# Altium PCB AU0006A_Fixed.pcbdoc (part 2 of 2)
Units mil, origin at the board's own origin, x right, y up, seen from the top; angles counter-clockwise.
Board outline 3649.12 x 8101.12 mil, 2 copper layers (Top Layer, Bottom Layer); 268 components, 222 nets, 891 pads, 0 vias.
Unrouted connection lines stored in the file: 561.
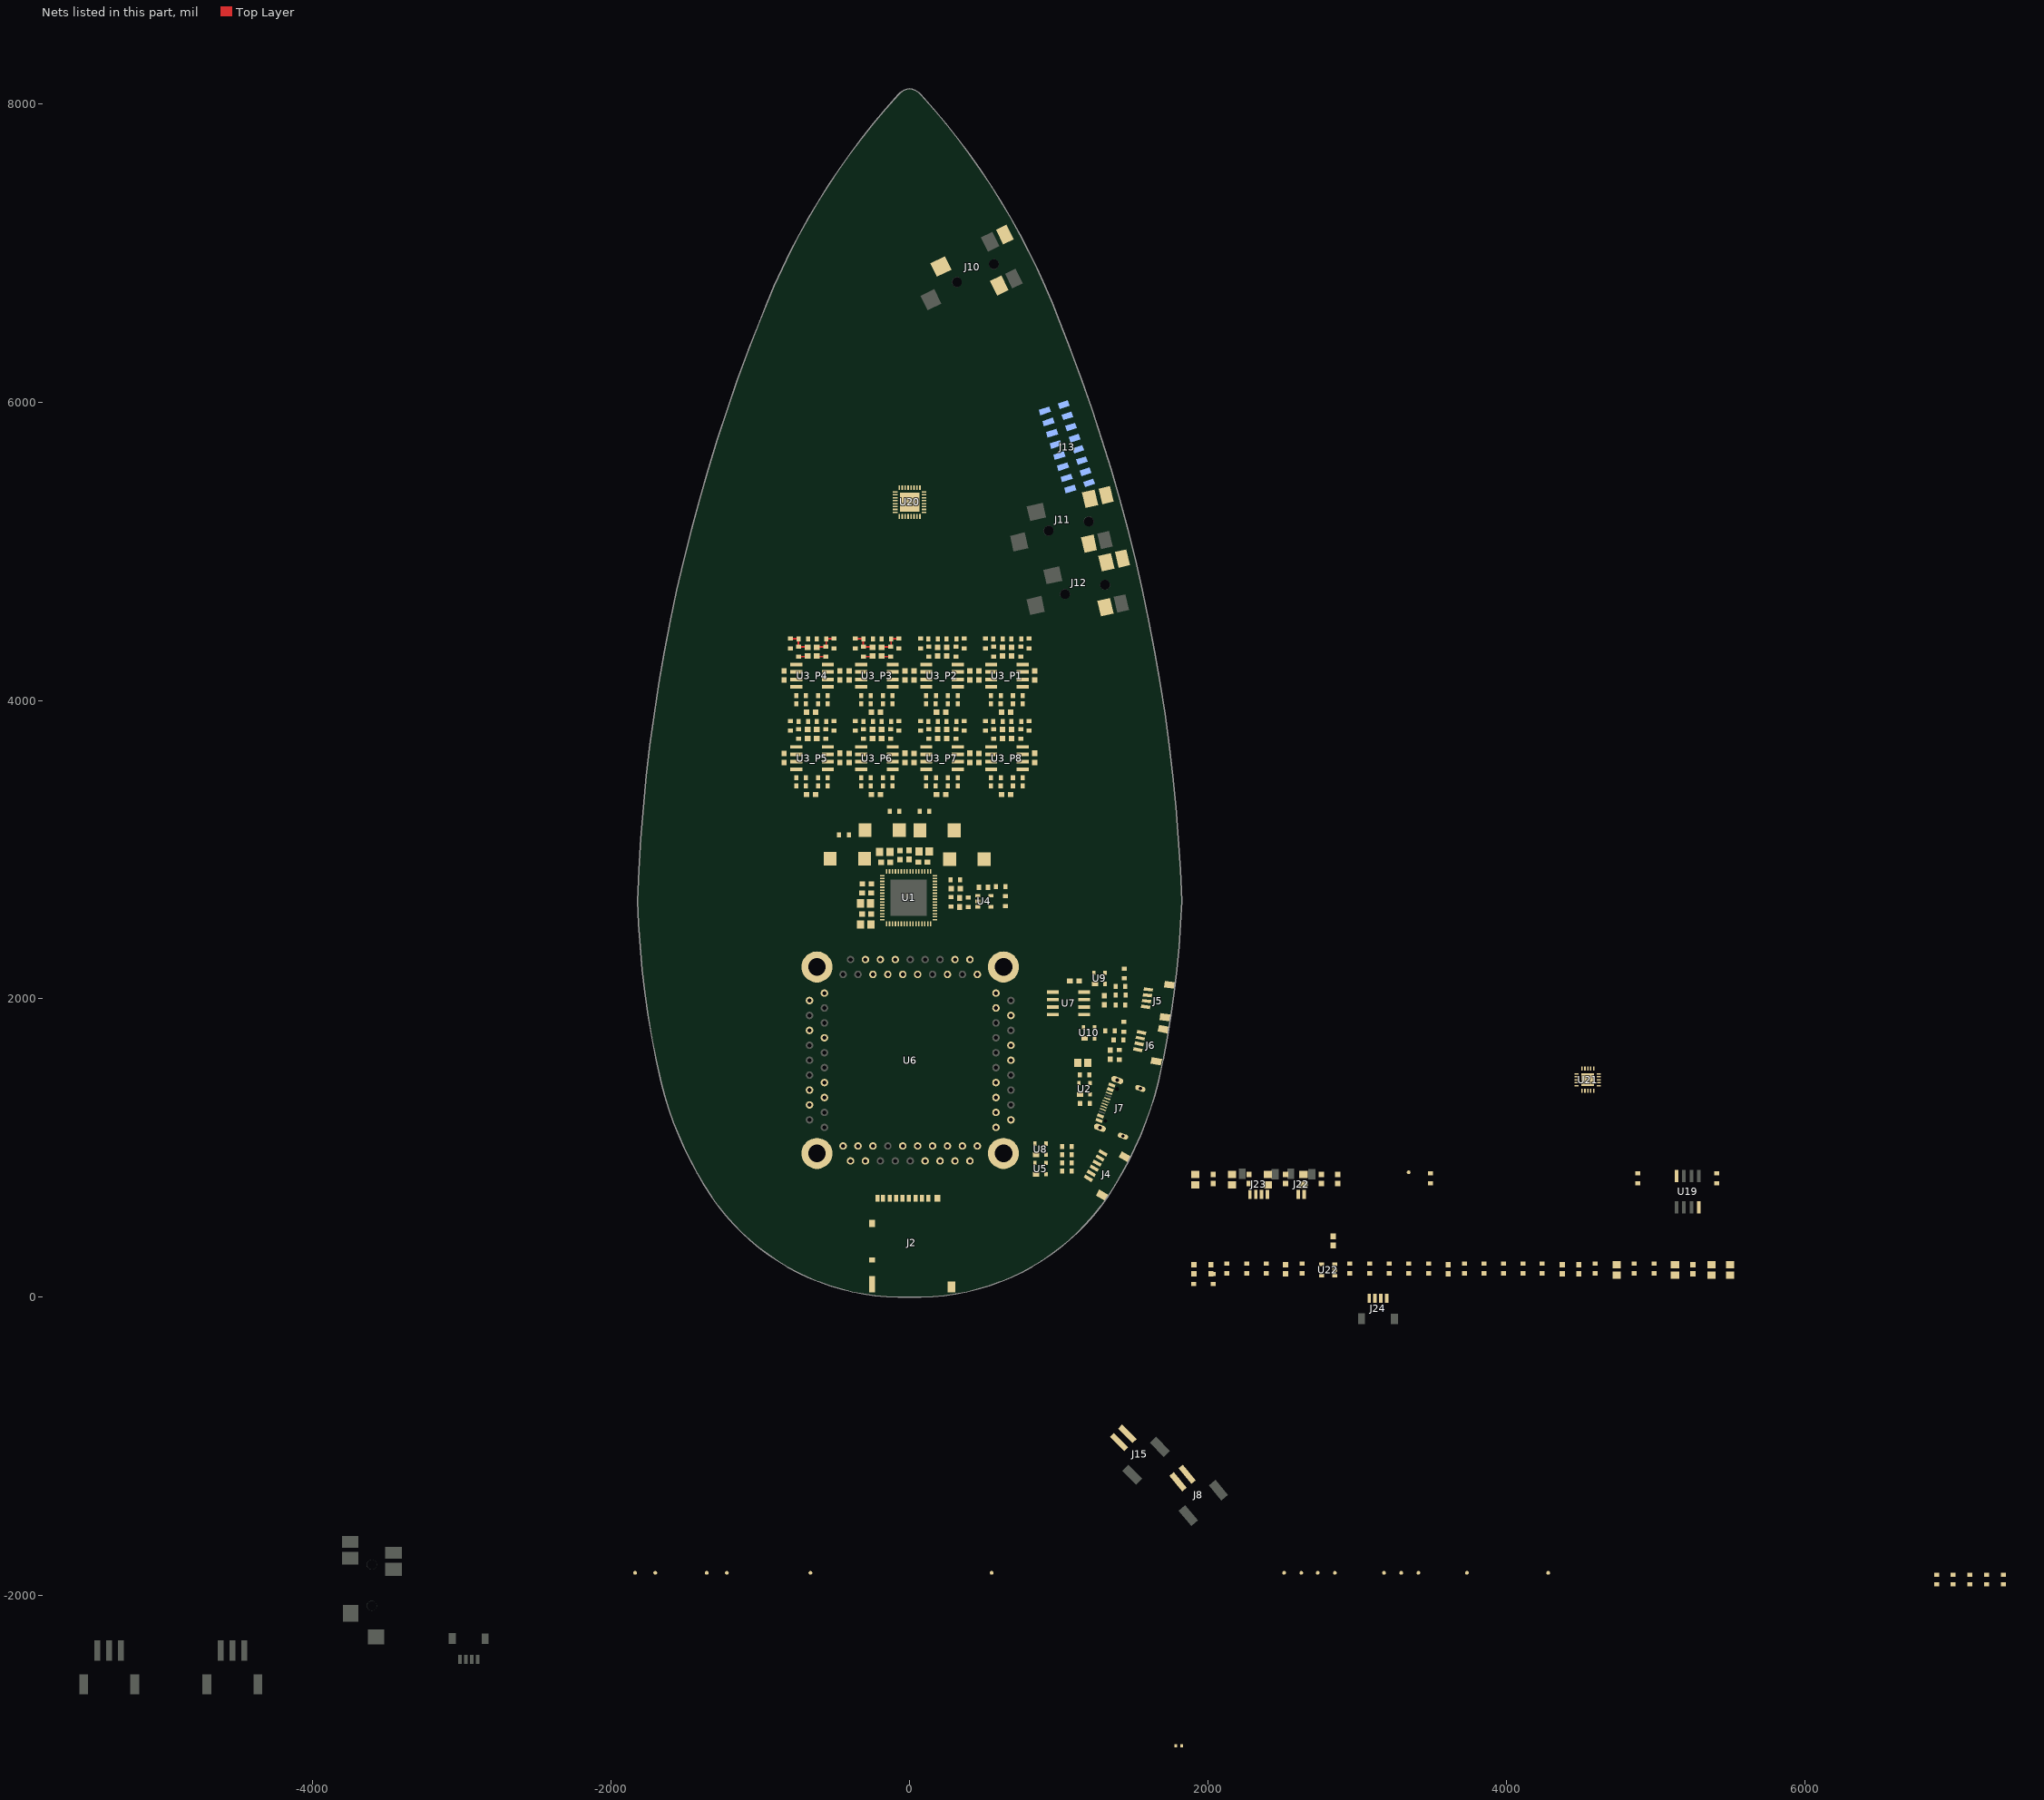
[diagram p2: the nets of this part, all layers, seen from the top]

## Part data
C1 C5 C6 C7 C8 C13 C14 C15 C16 C17 C18 C19 C20 C24_P1 C24_P2 C24_P3 C24_P4 C24_P5 C24_P6 C24_P7 C24_P8 C61 C63 C64 C65 C66 C67 C68 C69 C70 C71 C72 C73 C74 C75 C76 C77 C78 C79 C80 C81 C82: library part C
  C1 C5 C8 C13 C14 C15 C16 C18 C20 C24_P1 C24_P2 C24_P3 C24_P4 C24_P5 C24_P6 C24_P7 C24_P8 C61 C65 C69 C70 C72 C74 C76 C77 C78 C79 C80 C81 C82: Substiution Notes="0.1uFpF, 10V, 0603, AECQ-200"
C2 C3 C4: library part CGA3E2X7R1E104M080AA, "CAP CER 0.1UF 25V X7R 0603", Manufacturer="TDK Corporation", Operating Temperature="-55°C ~ 125°C", Package=0603, Ratings=AEC-Q200, Supplier Part Number 1=445-12541-1-ND, Temperature Coefficient=X7R, Tolerance=±20%, Voltage - Rated=25V, Category=Capacitors, ComponentLink1Description="Datasheet (Internal)", ComponentLink1URL=datasheets\TDK\mlcc_automotive_general_en.pdf, ComponentLink2Description="Datasheet (External)", ComponentLink2URL=https://product.tdk.com/info/en/catalog/datasheets/mlcc_automotive_general_en.pdf, Features=-, Manufacturer Part Number=CGA3E2X7R1E104M080AA, Substitution Notes="0.1µF , 25V , ±20% , X7R , -55°C ~ 125°C , AEC-Q200 , 0603", Supplier 1=Digikey, Thickness (Max)=0.90MM
C9 C10 C11 C12: library part T491D107K010AT, "CAP TANT 100UF 10V 10% 2917", ESR (Equivalent Series Resistance)="700 mOhm", Lifetime @ Temp#="2000 Hrs @ 85°C", Manufacturer=Kemet, Operating Temperature="-55°C ~ 125°C", Package=D, Package1="2917 (7343 Metric)", Sort Value=100000000, Sort Value Package=D_100000000, Supplier Part Number 1=399-3769-1-ND, Temperature Coefficient="Temperature Coefficient", Tolerance=±10%, Value_Voltage=100µF_10V, Voltage - Rated=10V, Capacitance=100µF, Category=Capacitors, ComponentLink1Description="Internal Datasheet", ComponentLink1URL=http://www.kemet.com/Lists/ProductCatalog/Attachments/254/KEM_T2005_T491.pdf, ComponentLink2Description="External Datasheet", ComponentLink2URL=http://www.kemet.com/Lists/ProductCatalog/Attachments/254/KEM_T2005_T491.pdf, Features="General Purpose", Height - Seated (Max)="0.122\" (3.10mm)", Lead Spacing=-, Manufacturer Part Number=T491D107K010AT, Mounting Type="Surface Mount", Packaging="Cut Tape (CT)", Size / Dimension="0.287\" L x 0.169\" W (7.30mm x 4.30mm)", Stocked=0, Supplier 1=Digi-Key, Type=Molded
C21_P1 C21_P2 C21_P3 C21_P4 C21_P5 C21_P6 C21_P7 C21_P8 C25_P1 C25_P2 C25_P3 C25_P4 C25_P5 C25_P6 C25_P7 C25_P8: library part GCM1885C2A271FA16D, "CAP CER 270PF 100V C0G/NP0 0603", Manufacturer="Murata Electronics", Operating Temperature="-55°C ~ 125°C", Package=0603, Ratings=AEC-Q200, Supplier Part Number 1=490-16410-1-ND, Temperature Coefficient="C0G, NP0", Tolerance=±1%, Voltage - Rated=100V, Category=Capacitors, ComponentLink1Description="Datasheet (Internal)", ComponentLink1URL=https://search.murata.co.jp/Ceramy/image/img/A01X/G101/ENG/GCM1885C2A271FA16-01.pdf, ComponentLink2Description="Datasheet (External)", ComponentLink2URL=https://search.murata.co.jp/Ceramy/image/img/A01X/G101/ENG/GCM1885C2A271FA16-01.pdf, Manufacturer Part Number=GCM1885C2A271FA16D, Substitution Notes="270pF , 100V , ±1% , C0G, NP0 , -55°C ~ 125°C , AEC-Q200 , 0603", Supplier 1=Digikey, Thickness (Max)=0.90MM
C22_P1 C22_P2 C22_P3 C22_P4 C22_P5 C22_P6 C22_P7 C22_P8: library part GCM1885C2A471JA16D, "CAP CER 470PF 100V C0G/NP0 0603", Manufacturer="Murata Electronics", Operating Temperature="-55°C ~ 125°C", Package=0603, Ratings=AEC-Q200, Supplier Part Number 1=490-4949-1-ND, Temperature Coefficient="C0G, NP0", Tolerance=±5%, Voltage - Rated=100V, Category=Capacitors, ComponentLink1Description="Datasheet (Internal)", ComponentLink1URL=https://www.murata.com/~/media/webrenewal/support/library/catalog/products/capacitor/mlcc/c03e.ashx?la=en-us, ComponentLink2Description="Datasheet (External)", ComponentLink2URL=https://www.murata.com/~/media/webrenewal/support/library/catalog/products/capacitor/mlcc/c03e.ashx?la=en-us, Manufacturer Part Number=GCM1885C2A471JA16D, Substitution Notes="470pF , 100V , ±5% , C0G, NP0 , -55°C ~ 125°C , AEC-Q200 , 0603", Supplier 1=Digikey, Thickness (Max)=0.90MM
C23_P1 C23_P2 C23_P3 C23_P4 C23_P5 C23_P6 C23_P7 C23_P8: library part GCM1885C2A102JA16D, "CAP CER 1000PF 100V C0G/NP0 0603", Manufacturer="Murata Electronics", Operating Temperature="-55°C ~ 125°C", Package=0603, Ratings=AEC-Q200, Supplier Part Number 1=490-4772-1-ND, Temperature Coefficient="C0G, NP0", Tolerance=±5%, Voltage - Rated=100V, Category=Capacitors, ComponentLink1Description="Datasheet (Internal)", ComponentLink1URL=https://psearch.en.murata.com/capacitor/product/GCM1885C2A102JA16%23.pdf, ComponentLink2Description="Datasheet (External)", ComponentLink2URL=https://psearch.en.murata.com/capacitor/product/GCM1885C2A102JA16%23.pdf, Manufacturer Part Number=GCM1885C2A102JA16D, Substitution Notes="1000pF , 100V , ±5% , C0G, NP0 , -55°C ~ 125°C , AEC-Q200 , 0603", Supplier 1=Digikey, Thickness (Max)=0.90MM
C62: library part AC0603KPX7R9BB103, "CAP CER 10000PF 50V X7R 0603", Manufacturer=Yageo, Operating Temperature="-55°C ~ 125°C", Package=0603, Ratings=AEC-Q200, Supplier Part Number 1=311-3284-1-ND, Temperature Coefficient=X7R, Tolerance=±10%, Voltage - Rated=50V, Category=Capacitors, ComponentLink1Description="Datasheet (Internal)", ComponentLink1URL=datasheets\Yageo\yageo_ac.pdf, ComponentLink2Description="Datasheet (External)", ComponentLink2URL=http://www.yageo.com/NewPortal/yageodocoutput?fileName=/pdf/MLCC/UPY-AC_NP0X7R_16V-to-630V_9.pdf, Manufacturer Part Number=AC0603KPX7R9BB103, Substitution Notes="10000pF , 50V , ±10% , X7R , -55°C ~ 125°C , AEC-Q200 , 0603", Supplier 1=Digikey, Thickness (Max)=0.90MM
J1 J9: "CONN HEADER PH SIDE 3POS 2MM SMD", Manufacturer="JST Sales America Inc", Manufacturer Part Number=S3B-PH-SM4-TB(LF)(SN)
J2: "CONN MICRO SD R/A PUSH-PUSH SMD", Manufacturer="Hirose Electric Co Ltd", Supplier Part Number 1=HR1964CT-ND, Card Type="Secure Digital - microSD™", Category="Connectors, Interconnects", ComponentLink1Description=http://www.hirose.co.jp/cataloge_hp/e60900232.pdf, ComponentLink1URL=http://www.hirose.co.jp/cataloge_hp/e60900232.pdf, Connector Type="Connector and Ejector", Contact Finish=Gold, Contact Finish Thickness=-, Ejector Side=-, Features=Switch, Height Above Board="0.066\" (1.68mm)", Insertion, Removal Method="Push In, Push Out", Manufacturer Part Number=DM3AT-SF-PEJM5, Mounting Feature="Normal, Standard - Top", Mounting Type="Surface Mount, Right Angle", Number of Positions="10 (8 + 2)", Packaging="Cut Tape (CT)", Pricing="1=2.83, 10=2.72, 25=2.4932, 50=2.3798, 100=2.2664, 250=1.98312, 500=1.92648 (USD)", RoHS="RoHS Compliant", Stock=28699, Supplier 1=Digi-Key
J3 J10 J11 J12: "Conn 3.5MM Audio Jack F 6 POS Solder RA SMD 6 Terminal 1 Port", Manufacturer="CUI Devices", Manufacturer Part Number=SJ-43516-SMT-TR, Package="3.5MM SMD R/A", Availability=Available, Price=$1.24
J4: library part SM06B-SRSS-TB(LF)(SN), "6 Positions Header, Shrouded Connector 0.039\" (1.00mm) Surface Mount, Right Angle Tin", Colour=Natural, Contact Resistance=40mR, Current Rating=1A, Flammability Rating="UL94 V-0", Housing Colour=Beige, Insulation Resistance=100MR, Manufacturer=JST, Max Operating Temperature=85°C, Max Voltage Rating (AC)=50V, Min Operating Temperature=-25°C, Supplier Part Number 1=455-1806-1-ND, ComponentLink1Description=https://datasheet.ciiva.com/11752/0900766b8082f544-11752176.pdf, ComponentLink1URL=https://datasheet.ciiva.com/11752/0900766b8082f544-11752176.pdf, ComponentLink2Description=https://datasheet.ciiva.com/16217/sm06b-srss-tblfsn-16217552.pdf, ComponentLink2URL=https://datasheet.ciiva.com/16217/sm06b-srss-tblfsn-16217552.pdf, ComponentLink3Description=https://datasheet.ciiva.com/26894/getdatasheetpartid-490708-26894951.pdf, ComponentLink3URL=https://datasheet.ciiva.com/26894/getdatasheetpartid-490708-26894951.pdf, ComponentLink4Description=https://datasheet.ciiva.com/26894/getdatasheetpartid-639890-26894680.pdf, ComponentLink4URL=https://datasheet.ciiva.com/26894/getdatasheetpartid-639890-26894680.pdf, ComponentLink5Description=https://datasheet.ciiva.com/8052/91630-8052281.pdf, ComponentLink5URL=https://datasheet.ciiva.com/8052/91630-8052281.pdf, ComponentLink6Description=https://datasheet.ciiva.com/712/esr-712571.pdf, ComponentLink6URL=https://datasheet.ciiva.com/712/esr-712571.pdf, ComponentLink7Description=https://datasheet.ciiva.com/712/esr-712572.pdf, ComponentLink7URL=https://datasheet.ciiva.com/712/esr-712572.pdf, ComponentLink8Description=https://datasheet.ciiva.com/730/esr-730671.pdf, ComponentLink8URL=https://datasheet.ciiva.com/730/esr-730671.pdf, Connector Type="Male Pin", Contact Material="Copper,Copper Alloy", Contact Plating=Copper,Tin,Lead, Depth=4.95mm, Gender=Male, Housing Material=Polyamide, Lead Free="Lead Free", Lead Pitch=1mm, Length=8mm, Manufacturer Part Number=SM06B-SRSS-TB(LF)(SN), Material=Polyamide, Max Current Rating=1A, Max Voltage Rating (DC)=50V, Mount="Surface Mount", Number of Contacts=6, Number of Positions=6, Number of Rows=1, Orientation="Right Angle", Packaging="Tape and Reel", Pitch=1mm, Pricing 1="1=0.83, 10=0.782, 100=0.5996, 500=0.5214, 1000=0.4301 (USD)", REACH SVHC="No SVHC", Stock 1=40560, Supplier 1=Digi-Key, Termination=Solder, Voltage Rating=50V, Voltage Rating (AC)=50V
J5 J6 J16 J23 J24: "Conn Shrouded Header HDR 4 POS 1mm Solder RA SMD T/R", Colour=Natural, Contact Resistance=40mR, Housing Colour=Beige, Manufacturer=JST, Max Current Rating=1A, Max Operating Temperature=85°C, Max Voltage Rating (AC)=50V, Min Operating Temperature=-25°C, Supplier Part Number 1=455-1804-1-ND, ComponentLink1Description=https://datasheet.ciiva.com/26894/getdatasheetpartid-499363-26894945.pdf, ComponentLink1URL=https://datasheet.ciiva.com/26894/getdatasheetpartid-499363-26894945.pdf, ComponentLink2Description=https://datasheet.ciiva.com/26894/getdatasheetpartid-640736-26894676.pdf, ComponentLink2URL=https://datasheet.ciiva.com/26894/getdatasheetpartid-640736-26894676.pdf, ComponentLink3Description=https://datasheet.ciiva.com/16487/jstsm04b-srss-tb-lf-sn-16487222.pdf, ComponentLink3URL=https://datasheet.ciiva.com/16487/jstsm04b-srss-tb-lf-sn-16487222.pdf, Connector Type="Male Pin", Contact Material="Copper Alloy", Contact Plating=Copper,Tin, Depth=4.95mm, Housing Material=Polyamide, Lead Free="Lead Free", Length=6mm, Manufacturer Part Number=SM04B-SRSS-TB(LF)(SN), Max Voltage Rating (DC)=50V, Mount="Surface Mount", Number of Contacts=4, Number of Positions=4, Number of Rows=1, Orientation="Right Angle", Packaging="Tape and Reel", Pitch=0.039inch, Pricing 1="1=0.61, 10=0.569, 100=0.436, 500=0.37914, 1000=0.31279 (USD)", Stock 1=43886, Supplier 1=Digi-Key, Termination=Solder
J7: library part 12402012E212A, Manufacturer=Amphenol, Supplier Part Number 1=523-12402012E212A, Category=Connectors, Manufacturer Part Number=12402012E212A, Pricing="1=0.98000, 10=0.77400, 50=0.77400, 100=0.67300, 1000=0.53800, 10000=0.43700 (USD)", RoHS=No, Stock 1=6869, Supplier 1=Mouser
J8 J15: "CONN HEADER PH SIDE 2POS 2MM SMD", Color=Natural, Manufacturer="JST Sales America Inc", Supplier Part Number 1=455-1749-1-ND, Category="Connectors, Interconnects", ComponentLink1Description=http://www.jst-mfg.com/product/pdf/eng/ePH.pdf, ComponentLink1URL=http://www.jst-mfg.com/product/pdf/eng/ePH.pdf, Connector Type="Header, Shrouded", Contact Finish=Tin, Contact Finish Thickness=-, Contact Mating Length=-, Contact Type="Male Pin", Fastening Type=-, Features="Solder Retention", Manufacturer Part Number=S2B-PH-SM4-TB(LF)(SN), Mounting Type="Surface Mount, Right Angle", Number of Positions=2, Number of Positions Loaded=All, Number of Rows=1, Packaging="Cut Tape (CT)", Pitch="0.079\" (2.00mm)", Pricing 1="1=0.5, 10=0.457, 100=0.3809, 500=0.3047 (USD)", RoHS="RoHS Compliant", Row Spacing=-, Stock 1=17700, Supplier 1=Digi-Key, Termination=Solder
J13: "SAMTEC         MMT-108-02-T-DH             Board-To-Board Connector, MMT Series, 12 Contacts, Header, 2 mm, Surface Mount, 2 Rows", Housing Colour=Black, Manufacturer=Samtec, Max Operating Temperature=105°C, Min Operating Temperature=-55°C, ComponentLink1Description=http://www.farnell.com/datasheets/1796420.pdf, ComponentLink1URL=http://www.farnell.com/datasheets/1796420.pdf, ComponentLink2Description=http://components.arrow.com/part/dataview/40189258S9202960N1004, ComponentLink2URL=http://components.arrow.com/part/dataview/40189258S9202960N1004, ComponentLink3Description=http://www.samtec.com/documents/webfiles/pdf/MMT_SM.PDF, ComponentLink3URL=http://www.samtec.com/documents/webfiles/pdf/MMT_SM.PDF, Contact Material=Bronze, Contact Plating=Nickel,Tin, Depth=12.67mm, Gender=Male, Housing Material=Polymer, Length=12mm, Manufacturer Part Number=MMT-108-02-T-DH, Number of Contacts=12, Number of Rows=2, Orientation="Right Angle", Packaging=Bulk, Pitch=2mm, Pricing 1="1=1.83 (USD)", Radiation Hardening=No, REACH SVHC="No SVHC", Stock 1=0, Termination=Solder
J22: "JST SH Series, 1mm Pitch 2 Way 1 Row Right Angle PCB Header, Solder Termination, 1A", Current Rating=1A, Manufacturer=JST, Supplier Part Number 1=455-1802-1-ND, Voltage Rating=50V, ComponentLink1Description=https://datasheet.ciiva.com/11746/0900766b805b098a-11746439.pdf, ComponentLink1URL=https://datasheet.ciiva.com/11746/0900766b805b098a-11746439.pdf, Contact Material="Copper Alloy", Manufacturer Part Number=SM02B-SRSS-TB(LFSN), Number of Contacts=2, Number of Rows=1, Orientation="Right Angle", Pitch=1mm, Pricing 1="1=0.44, 10=0.415, 100=0.3185, 500=0.277, 1000=0.22852 (USD)", Stock 1=36619, Supplier 1=Digi-Key, Termination=Solder
L1: "FIXED IND 4.7UH 520MA 650 MOHM", Case Code (Imperial)=0805, Case Code (Metric)=2012, Current Rating=520mA, DC Resistance (DCR)=650mR, Inductance=4.7uH, Inductance Tolerance=20%, Manufacturer="Taiyo Yuden", Max Operating Temperature=105°C, Min Operating Temperature=-40°C, Package Quantity=3000, Saturation Current=360mA, Self Resonant Frequency=45MHz, Supplier Part Number 1=587-1602-1-ND, Test Frequency=7.96MHz, Case/Package=0805, ComponentLink1Description=https://datasheet.ciiva.com/15981/214cbc2012t4r7m-15981637.pdf?src-supplier=Onlinecomponents.com, ComponentLink1URL=https://datasheet.ciiva.com/15981/214cbc2012t4r7m-15981637.pdf?src-supplier=Onlinecomponents.com, ComponentLink2Description=https://datasheet.ciiva.com/1040/cbc2012t4r7m-ss-1040456.pdf?src-supplier=Digi-Key, ComponentLink2URL=https://datasheet.ciiva.com/1040/cbc2012t4r7m-ss-1040456.pdf?src-supplier=Digi-Key, ComponentLink3Description=https://datasheet.ciiva.com/8505/cbc2012t4r7m-ss-8505656.pdf?src-supplier=Avnet, ComponentLink3URL=https://datasheet.ciiva.com/8505/cbc2012t4r7m-ss-8505656.pdf?src-supplier=Avnet, ComponentLink4Description=https://datasheet.ciiva.com/8001/wound02-e-8001849.pdf?src-supplier=Element14, ComponentLink4URL=https://datasheet.ciiva.com/8001/wound02-e-8001849.pdf?src-supplier=Element14, Composition=Wirewound, Core Material=Ferrite, Halogen Free="Halogen Free", Height=1.25mm, Height - Seated (Max)=0.057inch, Lead Free=Exempt, Length=0.079inch, Manufacturer Part Number=CBC2012T4R7M, Max DC Current=520mA, Mount="Surface Mount", Number of Pins=2, Packaging="Tape and Reel", Pricing 1="1=0.24000, 10=0.21600, 100=0.14860, 500=0.12702, 1000=0.09729 (USD)", REACH SVHC="No SVHC", RoHS=Yes, Shielding=Unshielded, Stock 1=7720, Supplier 1=Digi-Key, Termination=SMD/SMT, Tolerance=20%, Width=0.049inch
R1 R2: library part ERJ-3EKF5101V, "RES 5.1K OHM 1/10W 1% 0603 SMD", Limiting Element Voltage=75, Manufacturer="Panasonic Electronic Components", Maximum Overload Voltage=150, Maximum Working Voltage=22.6V, Package="0603 (1608 Metric)", Package Power="0603  (0.1W)", Power (Watts)="0.1W- 1/10W", Ratings=AEC-Q200, Sort Value=5100, Sort Value Package=603_5100, Supplier Package=0603, Supplier Part Number 1=P5.10KHCT-ND, Temperature Coefficient=±100ppm/°C, Tolerance=±1%, Category=Resistors, ComponentLink1Description="Internal Datasheet", ComponentLink1URL="datasheets\Panasonic Electronic Components\AOA0000CE2.pdf", ComponentLink2Description="External Datasheet", ComponentLink2URL=http://industrial.panasonic.com/www-data/pdf/AOA0000/AOA0000CE2.pdf, Composition="Thick Film", Features=-, Height=0.55MM, Manufacturer Part Number=ERJ-3EKF5101V, Number of Terminations=2, Packaging="Cut Tape (CT)", Resistance (Ohms)=5.1k, Size / Dimension="0.063\" L x 0.031\" W (1.60mm x 0.80mm)", Substitution Notes="5.1k , ±1% , 0603 , AEC-Q200", Supplier 1=Digi-Key
R3 R4 R5 R6 R8 R12 R110: library part ERJ-3EKF1001V, "RES 1K OHM 1/10W 1% 0603 SMD", Limiting Element Voltage=75, Manufacturer="Panasonic Electronic Components", Maximum Overload Voltage=150, Maximum Working Voltage=10.0V, Package="0603 (1608 Metric)", Package Power="0603  (0.1W)", Power (Watts)="0.1W- 1/10W", Ratings=AEC-Q200, Sort Value=1000, Sort Value Package=603_1000, Supplier Package=0603, Supplier Part Number 1=P1.00KHCT-ND, Temperature Coefficient=±100ppm/°C, Tolerance=±1%, Category=Resistors, ComponentLink1Description="Internal Datasheet", ComponentLink1URL="datasheets\Panasonic Electronic Components\AOA0000CE2.pdf", ComponentLink2Description="External Datasheet", ComponentLink2URL=http://industrial.panasonic.com/www-data/pdf/AOA0000/AOA0000CE2.pdf, Composition="Thick Film", Features=-, Height=0.55MM, Manufacturer Part Number=ERJ-3EKF1001V, Number of Terminations=2, Packaging="Cut Tape (CT)", Resistance (Ohms)=1k, Size / Dimension="0.063\" L x 0.031\" W (1.60mm x 0.80mm)", Substitution Notes="1k , ±1% , 0603 , AEC-Q200", Supplier 1=Digi-Key
R7 R10 R11 R14: library part ERJ-3EKF1003V, "RES 100K OHM 1/10W 1% 0603 SMD", Limiting Element Voltage=75, Manufacturer="Panasonic Electronic Components", Maximum Overload Voltage=150, Maximum Working Voltage=75.0V, Package="0603 (1608 Metric)", Package Power="0603  (0.1W)", Power (Watts)="0.1W- 1/10W", Ratings=AEC-Q200, Sort Value=100000, Sort Value Package=603_100000, Supplier Package=0603, Supplier Part Number 1=P100KHCT-ND, Temperature Coefficient=±100ppm/°C, Tolerance=±1%, Category=Resistors, ComponentLink1Description="Internal Datasheet", ComponentLink1URL="datasheets\Panasonic Electronic Components\AOA0000CE2.pdf", ComponentLink2Description="External Datasheet", ComponentLink2URL=http://industrial.panasonic.com/www-data/pdf/AOA0000/AOA0000CE2.pdf, Composition="Thick Film", Features=-, Height=0.55MM, Manufacturer Part Number=ERJ-3EKF1003V, Number of Terminations=2, Packaging="Cut Tape (CT)", Resistance (Ohms)=100k, Size / Dimension="0.063\" L x 0.031\" W (1.60mm x 0.80mm)", Substitution Notes="100k , ±1% , 0603 , AEC-Q200", Supplier 1=Digi-Key
R9 R13 R15 R16 R17 R18 R19: library part ERJ-3GEY0R00V, "RES 0.0 OHM 1/10W JUMP 0603 SMD", Limiting Element Voltage=75, Manufacturer="Panasonic Electronic Components", Maximum Overload Voltage=150, Maximum Working Voltage=0.0V, Package="0603 (1608 Metric)", Package Power="0603  (0.1W)", Power (Watts)="0.1W- 1/10W", Ratings=AEC-Q200, Sort Value Package=603_0, Supplier Package=0603, Supplier Part Number 1=P0.0GCT-ND, Temperature Coefficient=-, Tolerance=Jumper, Category=Resistors, ComponentLink1Description="Internal Datasheet", ComponentLink1URL="datasheets\Panasonic Electronic Components\AOA0000CE1.pdf", ComponentLink2Description="External Datasheet", ComponentLink2URL=http://industrial.panasonic.com/www-data/pdf/AOA0000/AOA0000CE1.pdf, Composition="Thick Film", Features=-, Height=0.55MM, Manufacturer Part Number=ERJ-3GEY0R00V, Number of Terminations=2, Resistance (Ohms)=0, Size / Dimension="0.063\" L x 0.031\" W (1.60mm x 0.80mm)", Sort Value=0, Substitution Notes="0 , Jumper , 0603 , AEC-Q200", Supplier 1=Digi-Key
R20 R21 R22 R23: library part R, "1k", ComponentLink1Description=http://industrial.panasonic.com/www-cgi/jvcr13pz.cgi?E+PZ+3+AOA0002+ERJ3EKF10R0V+7+WW, ComponentLink1URL=http://industrial.panasonic.com/www-cgi/jvcr13pz.cgi?E+PZ+3+AOA0002+ERJ3EKF10R0V+7+WW
R24_P1 R24_P2 R24_P3 R24_P4 R24_P5 R24_P6 R24_P7 R24_P8 R25_P1 R25_P2 R25_P3 R25_P4 R25_P5 R25_P6 R25_P7 R25_P8 R30_P1 R30_P2 R30_P3 R30_P4 R30_P5 R30_P6 R30_P7 R30_P8 R33_P1 R33_P2 R33_P3 R33_P4 R33_P5 R33_P6 R33_P7 R33_P8 R105 R106 R107 R109 R111 R112 R113 R114 R115 R116 R117 R118 R119 R120 R121 R122 R123 R124 R125 R127 R128 R130: library part ERJ-3EKF2201V, "RES 2.2K OHM 1/10W 1% 0603 SMD", Limiting Element Voltage=75, Manufacturer="Panasonic Electronic Components", Maximum Overload Voltage=150, Maximum Working Voltage=14.8V, Package="0603 (1608 Metric)", Package Power="0603  (0.1W)", Power (Watts)="0.1W- 1/10W", Ratings=AEC-Q200, Sort Value=2200, Sort Value Package=603_2200, Supplier Package=0603, Supplier Part Number 1=P2.20KHCT-ND, Temperature Coefficient=±100ppm/°C, Tolerance=±1%, Category=Resistors, ComponentLink1Description="Internal Datasheet", ComponentLink1URL="datasheets\Panasonic Electronic Components\AOA0000CE2.pdf", ComponentLink2Description="External Datasheet", ComponentLink2URL=http://industrial.panasonic.com/www-data/pdf/AOA0000/AOA0000CE2.pdf, Composition="Thick Film", Features=-, Height=0.55MM, Manufacturer Part Number=ERJ-3EKF2201V, Number of Terminations=2, Packaging="Cut Tape (CT)", Resistance (Ohms)=2.2k, Size / Dimension="0.063\" L x 0.031\" W (1.60mm x 0.80mm)", Substitution Notes="2.2k , ±1% , 0603 , AEC-Q200", Supplier 1=Digi-Key
R26_P1 R26_P2 R26_P3 R26_P4 R26_P5 R26_P6 R26_P7 R26_P8 R31_P1 R31_P2 R31_P3 R31_P4 R31_P5 R31_P6 R31_P7 R31_P8: library part ERJ-3EKF3300V, "RES 330 OHM 1/10W 1% 0603 SMD", Limiting Element Voltage=75, Manufacturer="Panasonic Electronic Components", Maximum Overload Voltage=150, Maximum Working Voltage=5.7V, Package="0603 (1608 Metric)", Package Power="0603  (0.1W)", Power (Watts)="0.1W- 1/10W", Ratings=AEC-Q200, Sort Value Package=603_330, Supplier Package=0603, Supplier Part Number 1=P330HCT-ND, Temperature Coefficient=±100ppm/°C, Tolerance=±1%, Category=Resistors, ComponentLink1Description="Internal Datasheet", ComponentLink1URL="datasheets\Panasonic Electronic Components\AOA0000CE2.pdf", ComponentLink2Description="External Datasheet", ComponentLink2URL=http://industrial.panasonic.com/www-data/pdf/AOA0000/AOA0000CE2.pdf, Composition="Thick Film", Features=-, Height=0.55MM, Manufacturer Part Number=ERJ-3EKF3300V, Number of Terminations=2, Packaging="Cut Tape (CT)", Resistance (Ohms)=330, Size / Dimension="0.063\" L x 0.031\" W (1.60mm x 0.80mm)", Sort Value=330, Substitution Notes="330 , ±1% , 0603 , AEC-Q200", Supplier 1=Digi-Key
R27_P1 R27_P2 R27_P3 R27_P4 R27_P5 R27_P6 R27_P7 R27_P8 R28_P1 R28_P2 R28_P3 R28_P4 R28_P5 R28_P6 R28_P7 R28_P8 R29_P1 R29_P2 R29_P3 R29_P4 R29_P5 R29_P6 R29_P7 R29_P8 R32_P1 R32_P2 R32_P3 R32_P4 R32_P5 R32_P6 R32_P7 R32_P8: library part ERJ-3EKF10R0V, "RES 10 OHM 1/10W 1% 0603 SMD", Limiting Element Voltage=75, Manufacturer="Panasonic Electronic Components", Maximum Overload Voltage=150, Maximum Working Voltage=1.0V, Package="0603 (1608 Metric)", Package Power="0603  (0.1W)", Power (Watts)="0.1W- 1/10W", Ratings=AEC-Q200, Sort Value Package=603_10, Supplier Package=0603, Supplier Part Number 1=P10.0HCT-ND, Temperature Coefficient=±100ppm/°C, Tolerance=±1%, Category=Resistors, ComponentLink1Description="Internal Datasheet", ComponentLink1URL="datasheets\Panasonic Electronic Components\AOA0000CE2.pdf", ComponentLink2Description="External Datasheet", ComponentLink2URL=http://industrial.panasonic.com/www-data/pdf/AOA0000/AOA0000CE2.pdf, Composition="Thick Film", Features=-, Height=0.55MM, Manufacturer Part Number=ERJ-3EKF10R0V, Number of Terminations=2, Packaging="Cut Tape (CT)", Resistance (Ohms)=10, Size / Dimension="0.063\" L x 0.031\" W (1.60mm x 0.80mm)", Sort Value=10, Substitution Notes="10 , ±1% , 0603 , AEC-Q200", Supplier 1=Digi-Key
R38: library part ERJ-2RKF1002X, "RES 10K OHM 1/10W 1% 0402 SMD", Limiting Element Voltage=50, Manufacturer="Panasonic Electronic Components", Maximum Overload Voltage=100, Maximum Working Voltage=31.6V, Package="0402 (1005 Metric)", Package Power="0402  (0.1W)", Power (Watts)="0.1W- 1/10W", Ratings=AEC-Q200, Sort Value=10000, Sort Value Package=402_10000, Supplier Package=0402, Supplier Part Number 1=P10.0KLCT-ND, Temperature Coefficient=±100ppm/°C, Tolerance=±1%, Category=Resistors, ComponentLink1Description="Internal Datasheet", ComponentLink1URL="datasheets\Panasonic Electronic Components\AOA0000CE2.pdf", ComponentLink2Description="External Datasheet", ComponentLink2URL=http://industrial.panasonic.com/www-data/pdf/AOA0000/AOA0000CE2.pdf, Composition="Thick Film", Features=-, Height=0.40MM, Manufacturer Part Number=ERJ-2RKF1002X, Number of Terminations=2, Packaging="Cut Tape (CT)", Resistance (Ohms)=10k, Size / Dimension="0.039\" L x 0.020\" W (1.00mm x 0.50mm)", Substitution Notes="10k , ±1% , 0402 , AEC-Q200", Supplier 1=Digi-Key
R108: library part ERJ-3EKF1000V, "RES 100 OHM 1/10W 1% 0603 SMD", Limiting Element Voltage=75, Manufacturer="Panasonic Electronic Components", Maximum Overload Voltage=150, Maximum Working Voltage=3.2V, Package="0603 (1608 Metric)", Package Power="0603  (0.1W)", Power (Watts)="0.1W- 1/10W", Ratings=AEC-Q200, Sort Value Package=603_100, Supplier Package=0603, Supplier Part Number 1=P100HCT-ND, Temperature Coefficient=±100ppm/°C, Tolerance=±1%, Category=Resistors, ComponentLink1Description="Internal Datasheet", ComponentLink1URL="datasheets\Panasonic Electronic Components\AOA0000CE2.pdf", ComponentLink2Description="External Datasheet", ComponentLink2URL=http://industrial.panasonic.com/www-data/pdf/AOA0000/AOA0000CE2.pdf, Composition="Thick Film", Features=-, Height=0.55MM, Manufacturer Part Number=ERJ-3EKF1000V, Number of Terminations=2, Packaging="Cut Tape (CT)", Resistance (Ohms)=100, Size / Dimension="0.063\" L x 0.031\" W (1.60mm x 0.80mm)", Sort Value=100, Substitution Notes="100 , ±1% , 0603 , AEC-Q200", Supplier 1=Digi-Key
R126 R129: library part ERJ-3EKF2201V, "RES 2.2K OHM 1/10W 1% 0603 SMD", Limiting Element Voltage=75, Manufacturer="Panasonic Electronic Components", Maximum Working Voltage=14.8V, Package="0603 (1608 Metric)", Package Power="0603  (0.1W)", Power (Watts)="0.1W- 1/10W", Ratings=AEC-Q200, Resistance (Ohms)=2.2k, Sort Value=2200, Sort Value Package=603_2200, Supplier Package=0603, Supplier Part Number 1=P2.20KHCT-ND, Temperature Coefficient=±100ppm/°C, Tolerance=±1%, Category=Resistors, ComponentLink1Description="Internal Datasheet", ComponentLink1URL="datasheets\Panasonic Electronic Components\AOA0000CE2.pdf", ComponentLink2Description="External Datasheet", ComponentLink2URL=http://industrial.panasonic.com/www-data/pdf/AOA0000/AOA0000CE2.pdf, Composition="Thick Film", Features=-, Height=0.55MM, Manufacturer Part Number=ERJ-3EKF2201V, Maximum Overload Voltage=150, Number of Terminations=2, Packaging="Cut Tape (CT)", Size / Dimension="0.063\" L x 0.031\" W (1.60mm x 0.80mm)", Substitution Notes="2.2k , ±1% , 0603 , AEC-Q200", Supplier 1=Digi-Key
U1: "IC ADC, Audio 32 bit 768k DSD, PCM 64-QFN (9x9)", Manufacturer="AKM/Asahi Kasei Microdevices", Supplier Device Package="64-QFN (9x9)", Category="ADCs/DACs - Special Purpose", Manufacturer Part Number=AK5558VN, Mounting Type="Surface Mount", Type=DEV
U2 U5 U8 U9 U10: "TVS DIODE 5.5VWM SOT143B", Capacitance @ Frequency="1pF @ 1MHz", Current - Peak Pulse (10/1000µs)=-, Manufacturer="NXP Semiconductors", Operating Temperature="-40°C ~ 85°C (TA)", Package / Case="TO-253-4, TO-253AA", Power Line Protection=Yes, Supplier Device Package=SOT-143B, Supplier Part Number 1=568-4140-1-ND, Voltage - Breakdown (Min)=6V, Voltage - Reverse Standoff (Typ)="5.5V (Max)", Applications="General Purpose", Bidirectional Channels=2, Category="Circuit Protection", ComponentLink1Description=http://www.nxp.com/documents/data_sheet/PRTR5V0U2X.pdf, ComponentLink1URL=http://www.nxp.com/documents/data_sheet/PRTR5V0U2X.pdf, Manufacturer Part Number=PRTR5V0U2X,215, Mounting Type="Surface Mount", Packaging="Cut Tape (CT)", Power - Peak Pulse=-, Pricing="1=0.57, 10=0.477, 25=0.418, 100=0.3578, 250=0.31036, 500=0.26286, 1000=0.20265 (USD)", RoHS="RoHS Compliant", Stock=11734, Supplier 1=Digi-Key, Type="Steering (Rail to Rail)", Unidirectional Channels=-, Voltage - Clamping (Max) @ Ipp=-
U3_P1 U3_P2 U3_P3 U3_P4 U3_P5 U3_P6 U3_P7 U3_P8: "Operational Amplifiers - Op Amps Ultra Lo Pwr RRO Fully-Diff Amp", Case/Package=D, Input Bias Current=200nA, Input Offset Voltage (Vos)=100uV, Manufacturer="Texas Instruments", Max Dual Supply Voltage=2.75V, Max I/O Voltage=400uV, Max Operating Temperature=125°C, Max Supply Current=250uA, Max Supply Voltage=5.5V, Min Dual Supply Voltage=1.25V, Min Operating Temperature=-40°C, Min Supply Voltage=2.5V, Output Current=50mA, Package Quantity=75, Power Supply Rejection Ratio (PSRR)=87dB, Supplier Part Number 1=296-35604-5-ND, Voltage Gain=114dB, Amplifier Type="GENERAL PURPOSE", Bandwidth=36MHz, Category="Amplifiers - Op Amps, Buffer, Instrumentation", Common Mode Rejection Ratio=90dB, ComponentLink1Description=https://datasheet.ciiva.com/6630/ths4531a-6630465.pdf?src-supplier=Digi-Key, ComponentLink1URL=https://datasheet.ciiva.com/6630/ths4531a-6630465.pdf?src-supplier=Digi-Key, ComponentLink2Description=https://datasheet.ciiva.com/22657/1698036-22657688.pdf?src-supplier=Element14, ComponentLink2URL=https://datasheet.ciiva.com/22657/1698036-22657688.pdf?src-supplier=Element14, ComponentLink3Description=https://datasheet.ciiva.com/28429/ths4531a-28429749.pdf?src-supplier=Avnet+Europe, ComponentLink3URL=https://datasheet.ciiva.com/28429/ths4531a-28429749.pdf?src-supplier=Avnet+Europe, Gain Bandwidth Product=27MHz, Height=1.5mm, Lead Free="Lead Free", Length=5mm, Manufacturer Part Number=THS4531AID, Nominal Gain Bandwidth Product=36MHz, Nominal Supply Current=250uA, Number of Amplifiers=1, Number of Channels=1, Number of Circuits=1, Number of Elements=1, Number of Pins=8, Operating Supply Current=250uA, Packaging=Rail/Tube, Pricing 1="1=4.06000, 10=3.65000, 25=3.45120, 100=2.99090, 250=2.83756, 500=2.54614, 1000=2.53225 (USD)", Radiation Hardening=No, REACH SVHC="No SVHC", RoHS=Yes, Series=-, Slew Rate=15V/µs, Stock 1=3055, Supplier 1=Digi-Key, Supply Current=250uA, Unity Gain Bandwidth Product=27MHz, Width=4mm
U4: "IC OPAMP 1.8V 0-DRIFT SOT23-5", Current - Input Bias=70pA, Current - Output / Channel=5mA, Current - Supply=17µA, Manufacturer="Texas Instruments", Manufacturer Part Number=OPA333AIDBVR, Operating Temperature="-40°C ~ 125°C", Package / Case="SC-74A, SOT-753", Supplier Device Package=SOT-23-5, Supplier Part Number 1=296-26269-1-ND, Voltage - Input Offset=2µV, Voltage - Supply, Single/Dual (±)="1.8 V ~ 5.5 V, ±0.9 V ~ 2.75 V", -3db Bandwidth=-, Amplifier Type=Zero-Drift, Category="Integrated Circuits (ICs)", ComponentLink1Description=http://www.ti.com/lit/ds/symlink/opa333.pdf, ComponentLink1URL=http://www.ti.com/lit/ds/symlink/opa333.pdf, Gain Bandwidth Product=350kHz, Mounting Type="Surface Mount", Number of Circuits=1, Output Type=Rail-to-Rail, Packaging="Cut Tape (CT)", Pricing 1="1=2.6, 10=2.334, 100=1.8725, 500=1.539, 1000=1.06875 (USD)", RoHS="RoHS Compliant", Slew Rate="0.16 V/µs", Stock 1=5227, Supplier 1=Digi-Key
U6: library part RT_SUPER_C, "Super Monkey Rev C"
U7: "IC OPAMP 1.8V 1MHZ DUAL 8-SOIC", Current - Input Bias=1pA, Current - Output / Channel=23mA, Current - Supply=100µA, Manufacturer="Microchip Technology", Operating Temperature="-40°C ~ 85°C", Package / Case="8-SOIC (0.154\", 3.90mm Width)", Supplier Device Package="8-SOIC N", Supplier Part Number 1=MCP6002-I/SN-ND, Voltage - Input Offset=4.5mV, Voltage - Supply, Single/Dual (±)="1.8 V ~ 6 V", -3db Bandwidth=-, Amplifier Type="General Purpose", Category="Integrated Circuits (ICs)", ComponentLink1Description=http://ww1.microchip.com/downloads/en/DeviceDoc/21733j.pdf, ComponentLink1URL=http://ww1.microchip.com/downloads/en/DeviceDoc/21733j.pdf, Gain Bandwidth Product=1MHz, Manufacturer Part Number=MCP6002-I/SN, Mounting Type="Surface Mount", Number of Circuits=2, Output Type=Rail-to-Rail, Packaging=Tube, Pricing 1="1=0.4, 10=0.33, 25=0.28, 100=0.25 (USD)", RoHS="RoHS Compliant", Slew Rate="0.6 V/µs", Stock 1=45024, Supplier 1=Digi-Key
U19: "SoundPlus™ ultra-low noise and distortion, Burr-Brown™ audio operational amplifier 8-SOIC -40 to 125", Manufacturer="Texas Instruments", Supplier Part Number 1=595-OPA1656ID, Category="Amplifiers - Op Amps, Buffer, Instrumentation", Manufacturer Part Number=OPA1656ID, Pricing="1=3.27000, 10=2.94000, 25=2.78000, 50=2.78000, 100=2.41000, 225=2.28000, 1000=2.28000, 10000=2.28000 (USD)", RoHS=Yes, Stock 1=6922, Supplier 1=Mouser
U20: "115dB 768kHz / 32-bit 8 ch Premium DAC", Manufactuer=AKM, Manufacturer Part Number=AK4454VN
U21: "138mW DirectPath Headphone Amplifier with GPIO control", Manufacturer="Texas Instruments", Mouser Part Number=595-TPA6133A2RTJR, Datasheet Link=http://www.ti.com/lit/gpn/tpa6133a2, Geometry.Height=0.8mm, Manufacturer Part Number=TPA6133A2RTJR, Mouser Price/Stock=https://www.mouser.co.uk/ProductDetail/Texas-Instruments/TPA6133A2RTJR?qs=xahoIJ7Tb4BkyS7VmN%2FRcw%3D%3D
U22: "IC OPAMP Z RRO SOT23-5 Ultra Low Noise, Low Distortion, FET Input", Manufacturer="Texas Instruments", Manufacturer Part Number=OPA1655DBVR

## Nets (pads, with @x,y where several pads share a name; then routed paths per layer and width w, separated by ;. In a path a pad name is that pad's centre, name@x,y a point inside that pad or via, vN(x,y) a via of type N, cw(c..) or ccw(c..) an arc to the next point about the centre after c; other vN are vias at no path point)
+3.3v: R38.1
+3v3: C19.2 C20.2 C68.2 C69.2 J2.4 J4.6 J23.1 J24.1 R7.2 R11.2 R16.2 R17.2 R105.1 R106.1 U1.25 U1.57 U5.4 U6.50 U8.4 U9.4 U10.4 U20.8 U20.11 U20.13 U20.28 U20.29
+5v0_ADC: C5.2 C6.2 C7.2 C8.2 R20.2 R21.2 R22.2 R23.2 U1.2 U1.15 U3_P1.3 U3_P1.7 U3_P2.3 U3_P2.7 U3_P3.3 U3_P3.7 U3_P4.3 U3_P4.7 U3_P5.3 U3_P5.7 U3_P6.3 U3_P6.7 U3_P7.3 U3_P7.7 U3_P8.3 U3_P8.7
+5v0_DAC: C71.2 C72.2 C82.2 U19.8 U20.21 U22.5
+5vA: C1.2 U4.5
+5vUSB: L1.2 U2.4 U6.55
+ADC_VREF: C2.2 J5.1 J6.1 U6.1 U7.8
+V_HP: R117.2 U21.12 U21.20
+VBATT: J8.1 J15.1 U6.57
+VREF: R108.2 R110.2 U3_P1.2 U3_P2.2 U3_P3.2 U3_P4.2 U3_P5.2 U3_P6.2 U3_P7.2 U3_P8.2
-5v0_DAC: C82.1 U19.4 U22.2
ADC_BICK: U1.33 U6.62
ADC_LRCK: U1.34 U6.61
ADC_POWER_DOWN: U1.28 U6.58
ADC_SDTO1: U1.36 U6.59
ADC_VDD_1v8: C17.2 C18.2 U1.27
ADC_VREF1: C9.1 C13.2 R20.1 R107.1 U1.62
ADC_VREF2: C10.1 C14.2 R21.1 U1.6
ADC_VREF3: C11.1 C15.2 R22.1 U1.12
ADC_VREF4: C12.1 C16.2 R23.1 U1.20
AIN1_N: C24_P1.1 R32_P1.2 U1.60
AIN1_P: C24_P1.2 R27_P1.2 U1.59
AIN2_N: C24_P2.1 R32_P2.2 U1.63
AIN2_P: C24_P2.2 R27_P2.2 U1.64
AIN3_N: C24_P3.1 R32_P3.2 U1.4
AIN3_P: C24_P3.2 R27_P3.2 U1.3
AIN4_N: C24_P4.1 R32_P4.2 U1.8
AIN4_P: C24_P4.2 R27_P4.2 U1.7
AIN5_N: C24_P5.1 R32_P5.2 U1.10
AIN5_P: C24_P5.2 R27_P5.2 U1.9
AIN6_N: C24_P6.1 R32_P6.2 U1.14
AIN6_P: C24_P6.2 R27_P6.2 U1.13
AIN7_N: C24_P7.1 R32_P7.2 U1.18
AIN7_P: C24_P7.2 R27_P7.2 U1.17
AIN8_N: C24_P8.1 R32_P8.2 U1.22
AIN8_P: C24_P8.2 R27_P8.2 U1.21
DAC_BICK: U6.72 U20.2
DAC_LRCK: U6.71 U20.3
DAC_MUTE: U6.66 U6.68 U20.7
DAC_POWER_DOWN: U20.32
DAC_SDTIN1: U6.70 U20.4
DAC_VDD_+1v8: C70.2 U20.31
DAC_VREF1: C73.2 C74.2 U20.17
DAC_VREF2: C75.2 C76.2 U20.25
FS0B_CLK: U6.20
FS0B_CS: U6.28
FS0B_DATA0: U6.13
FS0B_DATA1: U6.14
FS0B_DATA2: U6.15
FS0B_DATA3: U6.16
GND: C1.1 C2.1 C3.1 C4.1 C5.1 C6.1 C7.1 C8.1 C9.2 C10.2 C11.2 C12.2 C13.1 C14.1 C15.1 C16.1 C17.1 C18.1 C19.1 C20.1 C61.1 C68.1 C69.1 C70.1 C71.1 C72.1 C73.1 C74.1 C75.1 C76.1 C77.1 C78.1 C81.1 J2.6 J2.CDA J2.M J4.5 J4.M1 J4.M2 J5.2 J5.M1 J5.M2 J6.2 J6.M1 J6.M2 J7.A1B12 J7.B1A12 J7.M1 J7.M2 J7.M3 J7.M4 J8.2 J10.1 J15.2 J22.2 J23.4 J24.4 R1.1 R2.1 R10.1 R14.1 R15.2 R18.2 R19.2 R109.2 R123.2 R124.2 R130.2 U1.1 U1.5 U1.11 U1.16 U1.19 U1.23 U1.26 U1.32 U1.35 U1.44 U1.46 U1.61 U2.1 U3_P1.6 U3_P2.6 U3_P3.6 U3_P4.6 U3_P5.6 U3_P6.6 U3_P7.6 U3_P8.6 U4.2 U5.1 U6.54 U6.M U7.4 U8.1 U9.1 U10.1 U20.5 U20.12 U20.16 U20.20 U20.24 U20.30 U20.33 U21.3 U21.9 U21.10 U21.13 U21.19 U21.21
GUITAR_OUT: J22.1 R127.1 R130.1
HEADPHONE_SHUTDOWN: U6.69 U21.6
HP_LEFT: J10.2 U21.14
HP_RIGHT: J10.3 U21.11
MCLK: U1.24 U6.48 U20.1
NetC3_2: C3.2 R9.2 R10.2 U7.3
NetC4_2: C4.2 R13.2 R14.2 U7.5
NetC21_P1_1: C21_P1.1 C23_P1.2 R26_P1.2 U3_P1.8
NetC21_P1_2: C21_P1.2 R28_P1.1 U3_P1.5
NetC21_P2_1: C21_P2.1 C23_P2.2 R26_P2.2 U3_P2.8
NetC21_P2_2: C21_P2.2 R28_P2.1 U3_P2.5
NetC21_P3_1: C21_P3.1 C23_P3.2 R26_P3.2 U3_P3.8 | length 62.9
  Top Layer w10: C23_P3.2@-187.49,4298 -184.01,4294.52 R26_P3.2@-126,4294.52
NetC21_P3_2: C21_P3.2 R28_P3.1 U3_P3.5
NetC21_P4_1: C21_P4.1 C23_P4.2 R26_P4.2 U3_P4.8 | length 62.9
  Top Layer w10: C23_P4.2@-622.49,4298 -619.01,4294.52 R26_P4.2@-561,4294.52
NetC21_P4_2: C21_P4.2 R28_P4.1 U3_P4.5
NetC21_P5_1: C21_P5.1 C23_P5.2 R26_P5.2 U3_P5.8
NetC21_P5_2: C21_P5.2 R28_P5.1 U3_P5.5
NetC21_P6_1: C21_P6.1 C23_P6.2 R26_P6.2 U3_P6.8
NetC21_P6_2: C21_P6.2 R28_P6.1 U3_P6.5
NetC21_P7_1: C21_P7.1 C23_P7.2 R26_P7.2 U3_P7.8
NetC21_P7_2: C21_P7.2 R28_P7.1 U3_P7.5
NetC21_P8_1: C21_P8.1 C23_P8.2 R26_P8.2 U3_P8.8
NetC21_P8_2: C21_P8.2 R28_P8.1 U3_P8.5
NetC22_P1_1: C22_P1.1 R30_P1.1 R31_P1.1 R33_P1.2
NetC22_P1_2: C22_P1.2 R24_P1.2 R25_P1.1 R26_P1.1
NetC22_P2_1: C22_P2.1 R30_P2.1 R31_P2.1 R33_P2.2
NetC22_P2_2: C22_P2.2 R24_P2.2 R25_P2.1 R26_P2.1
NetC22_P3_1: C22_P3.1 R30_P3.1 R31_P3.1 R33_P3.2 | length 167.6
  Top Layer w10: R33_P3.2@-363,4414.48 -312.96,4414.48 R30_P3.1@-310.48,4412 -310.48,4361.96 R31_P3.1@-308,4359.48 -250.99,4359.48 C22_P3.1@-248.51,4357
NetC22_P3_2: C22_P3.2 R24_P3.2 R25_P3.1 R26_P3.1 | length 169.3
  Top Layer w10: C22_P3.2@-187.49,4357 -185.01,4359.48 R26_P3.1@-126,4359.48 -123.04,4362.44 R25_P3.1@-123.04,4412 -120.56,4414.48 R24_P3.2@-71,4414.48
NetC22_P4_1: C22_P4.1 R30_P4.1 R31_P4.1 R33_P4.2 | length 167.6
  Top Layer w10: R33_P4.2@-798,4414.48 -747.96,4414.48 R30_P4.1@-745.48,4412 -745.48,4361.96 R31_P4.1@-743,4359.48 -685.99,4359.48 C22_P4.1@-683.51,4357
NetC22_P4_2: C22_P4.2 R24_P4.2 R25_P4.1 R26_P4.1 | length 169.3
  Top Layer w10: C22_P4.2@-622.49,4357 -620.01,4359.48 R26_P4.1@-561,4359.48 -558.04,4362.44 R25_P4.1@-558.04,4412 -555.56,4414.48 R24_P4.2@-506,4414.48
NetC22_P5_1: C22_P5.1 R30_P5.1 R31_P5.1 R33_P5.2
NetC22_P5_2: C22_P5.2 R24_P5.2 R25_P5.1 R26_P5.1
NetC22_P6_1: C22_P6.1 R30_P6.1 R31_P6.1 R33_P6.2
NetC22_P6_2: C22_P6.2 R24_P6.2 R25_P6.1 R26_P6.1
NetC22_P7_1: C22_P7.1 R30_P7.1 R31_P7.1 R33_P7.2
NetC22_P7_2: C22_P7.2 R24_P7.2 R25_P7.1 R26_P7.1
NetC22_P8_1: C22_P8.1 R30_P8.1 R31_P8.1 R33_P8.2
NetC22_P8_2: C22_P8.2 R24_P8.2 R25_P8.1 R26_P8.1
NetC23_P1_1: C23_P1.1 C25_P1.1 R31_P1.2 U3_P1.1
NetC23_P2_1: C23_P2.1 C25_P2.1 R31_P2.2 U3_P2.1
NetC23_P3_1: C23_P3.1 C25_P3.1 R31_P3.2 U3_P3.1 | length 60.9
  Top Layer w10: R31_P3.2@-308,4294.52 -251.99,4294.52 C23_P3.1@-248.51,4298
NetC23_P4_1: C23_P4.1 C25_P4.1 R31_P4.2 U3_P4.1 | length 60.9
  Top Layer w10: R31_P4.2@-743,4294.52 -686.99,4294.52 C23_P4.1@-683.51,4298
NetC23_P5_1: C23_P5.1 C25_P5.1 R31_P5.2 U3_P5.1
NetC23_P6_1: C23_P6.1 C25_P6.1 R31_P6.2 U3_P6.1
NetC23_P7_1: C23_P7.1 C25_P7.1 R31_P7.2 U3_P7.1
NetC23_P8_1: C23_P8.1 C25_P8.1 R31_P8.2 U3_P8.1
NetC25_P1_2: C25_P1.2 R29_P1.1 U3_P1.4
NetC25_P2_2: C25_P2.2 R29_P2.1 U3_P2.4
NetC25_P3_2: C25_P3.2 R29_P3.1 U3_P3.4
NetC25_P4_2: C25_P4.2 R29_P4.1 U3_P4.4
NetC25_P5_2: C25_P5.2 R29_P5.1 U3_P5.4
NetC25_P6_2: C25_P6.2 R29_P6.1 U3_P6.4
NetC25_P7_2: C25_P7.2 R29_P7.1 U3_P7.4
NetC25_P8_2: C25_P8.2 R29_P8.1 U3_P8.4
NetC61_2: C61.2 R107.2 R109.1 U4.3
NetC62_1: C62.1 R108.1 U4.1
NetC62_2: C62.2 R110.1 U4.4
NetC63_1: C63.1 U21.2
NetC63_2: C63.2 R111.1 R112.1
NetC64_1: C64.1 U21.1
NetC64_2: C64.2 R111.2 R114.1
NetC65_1: C65.1 U21.17
NetC65_2: C65.2 U21.18
NetC66_1: C66.1 U21.5
NetC66_2: C66.2 R113.1 R115.1
NetC67_1: C67.1 U21.4
NetC67_2: C67.2 R115.2 R116.1
NetC77_2: C77.2 U21.16
NetC78_2: C78.2 U21.15
NetC79_1: C79.1 R119.1 R127.2 U22.1
NetC79_2: C79.2 R126.1 U22.3
NetC80_1: C80.1 R128.1 R129.1
NetC80_2: C80.2 R119.2 R125.1 R126.2
NetC81_2: C81.2 R129.2 U22.4
NetJ4_1: J4.1 R3.1
NetJ4_2: J4.2 R4.1
NetJ4_3: J4.3 R6.1
NetJ4_4: J4.4 R5.1
NetJ5_3: J5.3 R9.1 U9.3
NetJ5_4: J5.4 R7.1 R8.1 U9.2
NetJ6_3: J6.3 R13.1 U10.3
NetJ6_4: J6.4 R11.1 R12.1 U10.2
NetJ7_A4B9,B4A9: J7.A4B9 J7.B4A9 L1.1
NetJ7_A5: J7.A5 R2.2
NetJ7_B5: J7.B5 R1.2
NetR15_1: R15.1 U1.53
NetR16_1: R16.1 U1.54
NetR17_1: R17.1 U1.56
NetR18_1: R18.1 U1.55
NetR19_1: R19.1 U1.58
NetR24_P1_1: R24_P1.1 R27_P1.1 R28_P1.2
NetR24_P2_1: R24_P2.1 R27_P2.1 R28_P2.2
NetR24_P3_1: R24_P3.1 R27_P3.1 R28_P3.2
NetR24_P4_1: R24_P4.1 R27_P4.1 R28_P4.2
NetR24_P5_1: R24_P5.1 R27_P5.1 R28_P5.2
NetR24_P6_1: R24_P6.1 R27_P6.1 R28_P6.2
NetR24_P7_1: R24_P7.1 R27_P7.1 R28_P7.2
NetR24_P8_1: R24_P8.1 R27_P8.1 R28_P8.2
NetR29_P1_2: R29_P1.2 R32_P1.1 R33_P1.1
NetR29_P2_2: R29_P2.2 R32_P2.1 R33_P2.1
NetR29_P3_2: R29_P3.2 R32_P3.1 R33_P3.1
NetR29_P4_2: R29_P4.2 R32_P4.1 R33_P4.1
NetR29_P5_2: R29_P5.2 R32_P5.1 R33_P5.1
NetR29_P6_2: R29_P6.2 R32_P6.1 R33_P6.1
NetR29_P7_2: R29_P7.2 R32_P7.1 R33_P7.1
NetR29_P8_2: R29_P8.2 R32_P8.1 R33_P8.1
NetR112_2: R112.2 U20.14
NetR113_2: R113.2 U20.19
NetR114_2: R114.2 U20.15
NetR116_2: R116.2 U20.18
NetR117_1: R117.1 U21.7 U21.8
NetR118_1: R118.1 U20.22
NetR118_2: R118.2 R121.2 R124.1 R125.2
NetR120_1: R120.1 U20.23
NetR120_2: R120.2 R122.2 R123.1 R128.2
NetR121_1: R121.1 U20.27
NetR122_1: R122.1 U20.26
NetTP1_1: TP1.1 U1.49
NetTP2_1: TP2.1 U1.50
NetTP3_1: TP3.1 U1.51
NetTP4_1: TP4.1 U1.52
NetTP5_1: TP5.1 U1.31
NetTP6_1: TP6.1 U1.30
NetTP7_1: TP7.1 U1.29
NetTP8_1: TP8.1 U1.47
NetTP9_1: TP9.1 U1.48
NetTP10_1: TP10.1 U1.42
NetTP11_1: TP11.1 U1.37
NetTP12_1: TP12.1 U1.38
NetTP13_1: TP13.1 U1.39
NetTP14_1: TP14.1 U1.40
NetTP15_1: TP15.1 U1.41
NetTP16_1: TP16.1 U20.6
PDM_CLK_01: J23.3 U6.22
PDM_CLK_23: J24.3 U6.24
PDM_DAT_01: J23.2 U6.21
PDM_DAT_23: J24.2 U6.23
PU_1_N: J11.1 J13.2 J13.4 R30_P1.2 R30_P2.2
PU_1_P: J11.4 J13.1 R25_P1.2
PU_2_P: J13.3 R25_P2.2
PU_3_N: J13.6 R30_P3.2
PU_3_P: J11.3 J13.5 R25_P3.2
PU_4_N: J13.8 R30_P4.2
PU_4_P: J13.7 R25_P4.2
PU_5_N: J12.1 J13.10 J13.14 R30_P5.2 R30_P7.2
PU_5_P: J12.4 J13.9 R25_P5.2
PU_6_N: J13.12 R30_P6.2
PU_6_P: J13.11 R25_P6.2
PU_7_P: J12.3 J13.13 R25_P7.2
PU_8_N: J13.16 R30_P8.2
PU_8_P: J13.15 R25_P8.2
SD_CD: J2.CDB R38.2 U6.36
SD_CLK: J2.5 U6.34
SD_CMD: J2.3
SD_D0: J2.7 U6.30
SD_D1: J2.8 U6.31
SD_D2: J2.1 U6.32
SD_D3: J2.2 U6.33
SELECT_0: R3.2 U5.2 U6.37
SELECT_1: R4.2 U5.3 U6.38
SELECT_2: R6.2 U6.39 U8.2
SELECT_3: R5.2 U6.35 U8.3
SYS_SCL: R106.2 U1.45 U6.41 U20.10
SYS_SDA: R105.2 U1.43 U6.40 U20.9
TONE_POT: U6.73 U7.6 U7.7
TONE_SW: R12.2 U6.7
USB_N: J7.A7 J7.B7 U2.2 U6.43
USB_P: J7.A6 J7.B6 U2.3 U6.45
VOLUME_POT: U6.2 U7.1 U7.2
VOLUME_SW: R8.2 U6.6
pads on no net: J1.1 J1.2 J1.3 J1.M1 J1.M2 J3. J3.1 J3.2 J3.3 J3.4 J3.5 J3.6 J7.71 J7.A8 J7.ALIGN1 J7.B8 J8.M1 J8.M2 J9.1 J9.2 J9.3 J9.M1 J9.M2 J10. J10.4 J10.5 J10.6 J11. J11.2 J11.5 J11.6 J12. J12.2 J12.5 J12.6 J15.M1 J15.M2 J16.1 J16.2 J16.3 J16.4 J16.M1 J16.M2 J22.M1 J22.M2 J23.M1 J23.M2 J24.M1 J24.M2 U1.65 U6.3 U6.4 U6.5 U6.8 U6.9 U6.10 U6.11 U6.12 U6.17 U6.18 U6.19 U6.25 U6.26 U6.27 U6.29 U6.42 U6.44 U6.46 U6.47 U6.49 U6.51 U6.52 U6.53 U6.56 U6.60 U6.63 U6.64 U6.65 U6.67 U6.74 U6.75 U6.76 U19.1 U19.2 U19.3 U19.5 U19.6 U19.7

## Silkscreen, mask and mechanical layers (free items; w line width, h text height)
Top Overlay:
  lines w10: 0,0 0,8335
  text "TONE/MOD" at 2725.06,-1500.42 h75 r60
  text "VOLUME POT" at 2986.53,-1752.03 h75 r57
  text "SELECTOR" at 3339.51,-1888.82 h75 r55
Board Outline:
  drawing of 199 lines, arcs and shapes, not listed

## Text inside footprints (layer, text, board x,y; h text height)
J2: Mechanical 1 "CARD EJECT" at -324.8,-193.9 h9.84; Mechanical 1 "OVERSTROKE" at -328.74,-5.91 h9.84; Mechanical 1 "LOCK" at -270.67,-36.42 h9.84
U1: Mechanical 13 "*" at 125.95,2851.66 h50 r270
U6: Top Overlay "1" at -512,2026 h50; Top Overlay "2" at -513,1977 h50; Top Overlay "20" at -466,1071 h50; Top Overlay "76" at -471,2073 h50; Top Overlay "39" at 474,1121 h50; Top Overlay "58" at 431,2072 h50; Top Overlay "Super Monkey" at -414,1139 h236.22; Bottom Overlay "1" at -521,2026 h50; Bottom Overlay "2" at -612,1971 h50; Bottom Overlay "20" at -424,1071 h50; Bottom Overlay "76" at -425,2073 h50; Bottom Overlay "39" at 520,1119 h50; Bottom Overlay "58" at 474,2072 h50; Bottom Overlay "M" at 404,1389 h1181.1
U20: Mechanical 13 "*" at -53.74,5236.5 h50 r90